# KiCad board EstacionTerrena.kicad_pcb

Outline 40 x 30 mm; copper layers: Top, Bottom. Coordinates in mm from the lower left corner of the outline.
Outline path: 0,30 40,30 40,0 0,0 0,30

## Placement (name value [footprint] x y rotation side)
C1  2.2uF  [C_0805_2012Metric]  21.55 27.52 270 top
C2  100nF  [C_0603_1608Metric]  26 24.6 180 top
C3  2.2uF  [C_0805_2012Metric]  29.93 27.52 270 top
C4  100nF  [C_0603_1608Metric]  17.21 20.3 180 top
C5  1uF  [C_0603_1608Metric]  11.01 20.3 180 top
C6  100nF  [C_0402_1005Metric]  12.94 9.64 180 top
C7  100nF  [C_0402_1005Metric]  12.94 7.86 180 top
C8  100nF  [C_0402_1005Metric]  17.05 15.49 90 top
C9  15pF  [C_0402_1005Metric]  14.87 2.75 90 top
C10  15pF  [C_0402_1005Metric]  21.02 2.68 270 top
C11  100nF  [C_0402_1005Metric]  22.19 5.78 270 top
C12  100nF  [C_0402_1005Metric]  19.21 5.52 0 top
C13  100nF  [C_0402_1005Metric]  22.24 14.26 90 top
C14  100nF  [C_0402_1005Metric]  20.51 14.26 90 top
C15  n.a  [C_0402_1005Metric]  29.22 8.72 270 top
C16  n.a  [C_0402_1005Metric]  30.16 13.75 90 top
C17  100pF  [C_0402_1005Metric]  26.49 10.56 180 top
D1  Verde  [LED_0603_1608Metric]  8.72 9.33 90 top
D2  Rojo  [LED_0603_1608Metric]  6.69 9.33 90 top
H1  MountingHole_Pad  [MountingHole_3.2mm_M3_Pad]  4 26 0 top
H2  MountingHole_Pad  [MountingHole_3.2mm_M3_Pad]  36 4 0 top
H3  MountingHole_Pad  [MountingHole_3.2mm_M3_Pad]  36 26 0 top
H4  MountingHole_Pad  [MountingHole_3.2mm_M3_Pad]  4 4 0 top
J1  -  [5-1814832-1]  35.14 15.07 90 top
J2  USB_B_Micro  [USB_Micro-B_Molex-105017-0001]  2.67 15 270 top
JP1  Jumper_NC_Dual  [SolderJumper-3_P1.3mm_Open_RoundedPad1.0x1.5mm_NumberLabels]  9.69 4.01 90 top
L1  12nH  [L_0402_1005Metric]  30.85 10.55 0 top
LOGO  -  [Logo_AXTEC]  24.39 5.31 0 top
LOGO#2  -  [Logo_AXTEC]  32.29 5.31 180 bottom
R1  220  [R_0603_1608Metric_Pad1.05x0.95mm_HandSolder]  10.6 11.82 180 top
R2  220  [R_0603_1608Metric_Pad1.05x0.95mm_HandSolder]  7 11.82 180 top
R3  10k  [R_0603_1608Metric_Pad1.05x0.95mm_HandSolder]  17.21 18.53 180 top
R4  56k  [R_0402_1005Metric]  18.73 15.49 270 top
R5  0R  [R_0402_1005Metric]  28.74 10.55 0 top
R6  0R  [R_0402_1005Metric]  29.81 11.92 0 top
REF**  -  [OSHW-Symbol_6.7x6mm_SilkScreen]  28.69 20.81 0 top
REF**#2  -  [OSHW-Symbol_6.7x6mm_SilkScreen]  28.39 8.21 180 bottom
TP1  TestPoint_SCK  [TestPoint_Pad_D1.0mm]  13.99 15.51 0 top
TP2  TestPoint_MOSI  [TestPoint_Pad_D1.0mm]  15.59 12.81 0 top
TP3  TestPoint_MISO  [TestPoint_Pad_D1.0mm]  11.99 15.51 0 top
TP4  TestPoint_CS  [TestPoint_Pad_D1.0mm]  7.79 6.71 0 top
TP5  TestPoint_3V3  [TestPoint_Pad_D1.0mm]  24.19 20.61 0 top
TP6  TestPoint_GND  [TestPoint_THTPad_1.0x1.0mm_Drill0.5mm]  15.19 7.71 0 top
U1  TPD2E2U06  [SOT-553]  7.61 15.66 0 top
U2  MIC5323-3.3YD5_TR  [SOT95P280X100-5N]  26 27.52 0 top
U3  MCP2210  [SSOP-20_5.3x7.2mm_P0.65mm]  14.16 25.23 180 top
U4  CC1101RGP  [QFN50P400X400X100-21N-D]  17.97 9.89 0 top
U5  -  [0915BM15A0001E]  23.71 9.64 0 top
Y1  12MHz  [Resonator_SMD_muRata_CSTxExxV-3Pin_3.0x1.1mm]  21.68 23.35 90 top
Y2  26 MHz  [Crystal_SMD_2520-4Pin_2.5x2.0mm]  18.17 2.68 0 top

## Footprints (pads in the part's own frame, mm; a bottom-side part is the same pattern mirrored in y, then rotated)
5-1814832-1
  round 2.3 hole 1.5: 1(0,0)
  round 2.5 hole 1.6: 2(-2.54,-2.54) 3(2.54,-2.54) 4(2.54,2.54) 5(-2.54,2.54)
0915BM15A0001E
  rect 0.35x1 smd: 1(0.65,0.9) 2(0,0.9) 3(-0.65,0.9) 4(-0.65,-0.9) 5(0,-0.9) 6(0.65,-0.9)
C_0402_1005Metric
  rrect 0.59x0.64 smd: 1(-0.485,0) 2(0.485,0)
C_0603_1608Metric
  rrect 0.875x0.95 smd: 1(-0.787,0) 2(0.787,0)
C_0805_2012Metric
  rrect 0.975x1.4 smd: 1(-0.938,0) 2(0.938,0)
Crystal_SMD_2520-4Pin_2.5x2.0mm
  rect 1.15x1 smd: 1(-0.875,-0.7) 2(0.875,-0.7) 3(0.875,0.7) 4(-0.875,0.7)
L_0402_1005Metric
  rrect 0.59x0.64 smd: 1(-0.485,0) 2(0.485,0)
LED_0603_1608Metric
  rrect 0.875x0.95 smd: 1(-0.787,0) 2(0.787,0)
MountingHole_3.2mm_M3_Pad
  round 6.4 hole 3.2: 1(0,0)
QFN50P400X400X100-21N-D
  rect 0.9x0.3 smd: 1(-1.95,1) 2(-1.95,0.5) 3(-1.95,0) 4(-1.95,-0.5) 5(-1.95,-1) 11(1.95,-1) 12(1.95,-0.5) 13(1.95,0) 14(1.95,0.5) 15(1.95,1)
  rect 0.3x0.9 smd: 6(-1,-1.95) 7(-0.5,-1.95) 8(0,-1.95) 9(0.5,-1.95) 10(1,-1.95) 16(1,1.95) 17(0.5,1.95) 18(0,1.95) 19(-0.5,1.95) 20(-1,1.95)
  rect 2.5x2.5 smd: 21(0,0)
R_0402_1005Metric
  rrect 0.59x0.64 smd: 1(-0.485,0) 2(0.485,0)
R_0603_1608Metric_Pad1.05x0.95mm_HandSolder
  rrect 1.05x0.95 smd: 1(-0.875,0) 2(0.875,0)
Resonator_SMD_muRata_CSTxExxV-3Pin_3.0x1.1mm
  rect 0.4x1.9 smd: 1(-1.2,0) 2(0,0) 3(1.2,0)
SolderJumper-3_P1.3mm_Open_RoundedPad1.0x1.5mm_NumberLabels
  custom 1.05x1.5 smd: 1(-1.3,0) 3(1.3,0)
  rect 1x1.5 smd: 2(0,0)
SOT95P280X100-5N
  rect 1.05x0.6 smd: 1(-1.3,0.95) 2(-1.3,0) 3(-1.3,-0.95) 4(1.3,-0.95) 5(1.3,0.95)
SOT-553
  rect 0.45x0.3 smd: 1(-0.7,0.5) 2(-0.7,0) 3(-0.7,-0.5) 4(0.7,-0.5) 5(0.7,0.5)
SSOP-20_5.3x7.2mm_P0.65mm
  rect 1.75x0.45 smd: 1(-3.6,2.925) 2(-3.6,2.275) 3(-3.6,1.625) 4(-3.6,0.975) 5(-3.6,0.325) 6(-3.6,-0.325) 7(-3.6,-0.975) 8(-3.6,-1.625) 9(-3.6,-2.275) 10(-3.6,-2.925) 11(3.6,-2.925) 12(3.6,-2.275) 13(3.6,-1.625) 14(3.6,-0.975) 15(3.6,-0.325) 16(3.6,0.325) 17(3.6,0.975) 18(3.6,1.625) 19(3.6,2.275) 20(3.6,2.925)
TestPoint_Pad_D1.0mm
  round 1 smd: 1(0,0)
TestPoint_THTPad_1.0x1.0mm_Drill0.5mm
  rect 1x1 hole 0.5: 1(0,0)
USB_Micro-B_Molex-105017-0001
  rect 0.4x1.35 smd: 1(-1.3,1.462) 2(-0.65,1.462) 3(0,1.462) 4(0.65,1.462) 5(1.3,1.462)
  oval 1.2x1.9 hole 0.6x1.3: 6(-3.5,-1.238) 6(3.5,-1.238)
  rect 1.2x1.9 smd: 6(-2.9,-1.238) 6(2.9,-1.238)
  round 1.45 hole 0.85: 6(-2.5,1.462) 6(2.5,1.462)
  rect 1.5x1.9 smd: 6(-1,-1.238) 6(1,-1.238)

## Nets
+3V3: C3.1 C4.1 C5.1 C6.1 C8.1 C11.1 C12.1 C13.1 C14.1 R1.1 R3.1 TP5.1 U2.5 U3.1 U3.17 U4.4 U4.9 U4.11 U4.14 U4.15 U4.18
+5V: C1.1 J2.1 U2.1 U2.3
GND: C1.2 C2.2 C3.2 C4.2 C5.2 C6.2 C7.2 C8.2 C9.2 C10.2 C11.2 C12.2 C13.2 C14.2 C15.2 C16.2 D1.1 D2.1 H1.1 H2.1 H3.1 H4.1 J1.2 J1.3 J1.4 J1.5 J2.5 J2.6 JP1.1 R4.1 TP6.1 U1.4 U2.2 U3.20 U4.16 U4.19 U4.21 U5.2 U5.5 U5.6 Y1.2 Y2.2 Y2.4
/CC1101/ANT: J1.1 L1.2
/CC1101/CS: JP1.2 U4.7
/CC1101/RF_N: U4.13 U5.3
/CC1101/RF_P: U4.12 U5.4
/USBaSPI/CS: JP1.3 TP4.1 U3.5
/USBaSPI/D+: J2.3 U1.3 U3.19
/USBaSPI/D-: J2.2 U1.2 U1.5 U3.18
/USBaSPI/GP1: R2.1 U3.6
/USBaSPI/MISO: TP3.1 U3.13 U4.2
/USBaSPI/MOSI: TP2.1 U3.9 U4.20
/USBaSPI/SCK: TP1.1 U3.11 U4.1
Net-(C2-Pad1): C2.1 U2.4
Net-(C7-Pad1): C7.1 U4.5
Net-(C9-Pad1): C9.1 U4.8 Y2.1
Net-(C10-Pad1): C10.1 U4.10 Y2.3
Net-(C15-Pad1): C15.1 R5.2 R6.1
Net-(C16-Pad1): C16.1 L1.1 R6.2
Net-(C17-Pad1): C17.1 R5.1
Net-(C17-Pad2): C17.2 U5.1
Net-(D1-Pad2): D1.2 R1.2
Net-(D2-Pad2): D2.2 R2.2
Net-(J2-Pad4): J2.4
Net-(R3-Pad2): R3.2 U3.4
Net-(R4-Pad2): R4.2 U4.17
Net-(U1-Pad1): U1.1
Net-(U3-Pad2): U3.2 Y1.1
Net-(U3-Pad3): U3.3 Y1.3
Net-(U3-Pad7): U3.7
Net-(U3-Pad8): U3.8
Net-(U3-Pad10): U3.10
Net-(U3-Pad12): U3.12
Net-(U3-Pad14): U3.14
Net-(U3-Pad15): U3.15
Net-(U3-Pad16): U3.16
Net-(U4-Pad3): U4.3
Net-(U4-Pad6): U4.6

## Via types
v1: diameter 0.6, hole 0.3, Top to Bottom, 40 vias

## Routing (per net, layer and track width the routed paths; a pad name or vN(x,y) marks a point on that pad's centre or on a via; arc(x,y) is an arc through that point)
+3V3: length 126.4
  Top w0.25: U4.14 20.45,10.39 22.24,12.18 C13.1
  Top w0.3: 18.47,5.68 18.48,5.67 ; U4.4 13.97,9.39 13.73,9.64 C6.1 ; U4.11 20.22,8.89 v1(21.25,7.86) 22.19,6.92 C11.1 ; U4.18 17.97,12.99 17.05,13.9 C8.1 ; U4.15 19.92,13.18 C14.1 ; U4.9 18.47,6.35 v1(18.43,6.31) 18.43,5.52 ; 24.22,20.66 24.17,20.71 24.17,24.57 23.25,25.49 20.26,25.49 19.54,26.2 19.54,28.58 19.24,28.89 9.23,28.89 8.93,28.58 8.93,24.71 9.38,24.26 U3.17
  Top w0.4: v1(15.28,13.85) 15.89,14.46 15.89,15.01 ; 12.74,11.57 13.73,10.58 13.73,9.64 ; 12.74,11.57 12.74,13.19 ; 12.74,11.57 11.57,11.57 10.89,10.88 10.89,7.51 12.09,6.31 v1(14.59,6.31) ; R3.1 18.08,17.72 17.72,17.36 16.5,17.36 15.89,16.75 15.89,15.01 ; R3.1 21.27,18.53 23.46,16.34 23.46,14.31 22.92,13.77 C14.1 ; R3.1 17.99,18.61 C4.1 17.76,20.54 U3.1 18.41,22.31 20.06,20.66 29.91,20.66 31.69,22.44 31.69,28.08 31.31,28.46 C3.1 ; U3.17 11.83,24.26 12.03,24.07 12.03,20.33 ; 15.89,15.01 C8.1 ; v1(17,5.96) 17.44,5.52 18.43,5.52
  Top w0.6: U2.5 29.92,28.47 C3.1
  Bottom w0.4: v1(15.28,13.85) 13.4,13.85 12.74,13.19 ; v1(18.43,6.31) 19.98,7.86 v1(21.25,7.86) ; v1(14.59,6.31) 14.94,5.96 v1(17,5.96)
  vias: v1(12.74,13.14)
+5V: length 36.5
  Top w0.3: U2.3 25.81,26.57 26,26.76 26,28.15 25.68,28.47 U2.1
  Top w0.4: J2.1 5.48,16.3 5.78,16.6 5.78,21.68 8.22,24.11 8.22,29.04 8.62,29.45 20.56,29.45 C1.1
  Top w0.6: U2.1 24.68,28.46 C1.1
GND: length 58
  Top w0.3: U5.6 U5.5 ; U5.5 v1(23.71,7.55) ; U5.5 v1(23.71,9.64) U5.2 v1(23.71,12.02) ; U4.19 17.47,11.12 v1(17.11,10.75) ; U4.16 18.97,10.89 v1(18.83,10.75) ; 20,5.52 v1(20,6.74) ; 18.67,16.04 18.73,16.1 ; H4.1 7.55,4 8.84,2.71 JP1.1 ; U1.4 9.3,15.16
  Top w0.4: 25.21,23.38 v1(25.21,23.4) C2.2 ; 17.05,16.04 18.67,16.04 ; 14.87,3.54 v1(14.87,4.81) ; v1(19.9,16.09) 19.89,16.1 18.73,16.1 ; v1(16.9,4.86) 17.3,4.47 Y2.4 ; Y2.2 19.05,0.71 v1(19.04,0.8) ; C16.2 29.22,14.24 v1(29.2,14.26) ; 12.15,8.77 12.15,7.86 ; 12.15,8.77 v1(11.59,8.77) ; 12.15,8.77 12.15,9.64 ; v1(21.37,15.68) 21.37,14.74 ; v1(23.1,5.32) 23.07,5.29 C11.2 ; J2.5 v1(5.88,13.7) ; C14.2 21.37,14.74 ; 21.37,14.74 C13.2 ; v1(30.16,8.21) 30.14,8.24 C15.2 ; v1(5.42,8.57) 5.45,8.54 D2.1 D1.1 ; 21.02,1.89 v1(21.02,0.8) ; U3.20 10.22,21.97 C5.2 10.22,19.11 v1(10.25,19.09) ; v1(15.94,21.83) 15.94,20.76 16.39,20.3 C4.2
  Top w0.45: v1(23.46,23.35) Y1.2
  Top w0.6: C1.2 v1(23.12,26.58) ; 24.62,27.52 v1(23.12,27.52) ; C3.2 v1(29.93,25.1) ; J2.6 v1(1.43,20.3)
  vias: v1(9.33,15.17) v1(17.11,9.03) v1(17.97,9.89) v1(18.83,9.03)
/CC1101/ANT: length 7.3
  Top w0.4: J1.1 35.14,12.28 33.41,10.55 L1.2
/CC1101/CS: length 9.9
  Top w0.3: U4.7 17.47,7.19 17.39,7.11 16.31,7.11 14.66,5.46 12.19,5.46 10.74,4.01 JP1.2
/CC1101/RF_N: length 3.4
  Top w0.25: U5.3 22.68,10.54 22.03,9.89 U4.13
/CC1101/RF_P: length 3.4
  Top w0.25: U5.4 22.68,8.74 22.03,9.39 U4.12
/USBaSPI/CS: length 26.3
  Top w0.3: 9.69,6.69 9.69,7.89 10.09,8.29 v1(10.09,10.11) ; JP1.3 9.69,6.71 TP4.1 ; U3.5 15.36,24.91 v1(15.16,24.71)
  Bottom w0.3: v1(10.09,10.11) 11.19,11.21 11.19,20.73 v1(15.16,24.71)
/USBaSPI/D+: length 17.6
  Top w0.2: U1.3 5.66,15.16 5.5,15 J2.3
  Top w0.3: 6.91,15.11 6.91,15.11 8.11,13.9 9.84,13.9 10.55,14.61 10.55,16.65 8.98,18.22 8.98,22.55 9.38,22.96 U3.19
/USBaSPI/D-: length 22
  Top w0.2: J2.2 4.14,15.66 U1.2 7.38,15.66 7.88,16.16 U1.5
  Top w0.3: U1.5 8.31,18.08 8.31,18.09 8.31,18.1 8.32,18.11 8.32,18.12 8.33,18.13 8.34,18.13 8.37,18.13 8.38,18.14 8.39,18.14 8.4,18.15 8.4,18.16 8.4,18.17 8.41,18.18 8.41,18.68 8.4,18.69 8.4,18.7 8.4,18.71 8.39,18.72 8.38,18.73 8.37,18.73 8.36,18.73 7.16,18.73 7.09,18.74 7.03,18.76 6.97,18.8 6.93,18.84 6.89,18.9 6.87,18.96 6.86,19.03 6.87,19.1 6.89,19.16 6.93,19.22 6.97,19.27 7.03,19.3 7.09,19.32 7.16,19.33 8.36,19.33 8.37,19.33 8.38,19.34 8.39,19.34 8.4,19.35 8.4,19.36 8.4,19.37 8.41,19.38 8.41,19.88 8.4,19.89 8.4,19.9 8.4,19.91 8.39,19.92 8.38,19.93 8.37,19.93 8.36,19.93 7.16,19.93 7.09,19.94 7.03,19.96 6.97,20 6.93,20.04 6.89,20.1 6.87,20.16 6.86,20.23 6.87,20.3 6.89,20.36 6.93,20.42 6.97,20.47 7.03,20.5 7.09,20.52 7.16,20.53 8.36,20.53 8.37,20.53 8.38,20.54 8.39,20.54 8.4,20.55 8.4,20.56 8.4,20.57 8.41,20.58 8.41,21.08 8.4,21.09 8.4,21.1 8.4,21.11 8.39,21.12 8.38,21.13 8.37,21.13 8.36,21.13 7.16,21.13 7.09,21.14 7.03,21.16 6.97,21.2 6.93,21.24 6.89,21.3 6.87,21.36 6.86,21.43 6.87,21.5 6.89,21.56 6.93,21.62 6.97,21.67 7.03,21.7 7.09,21.72 7.16,21.73 8.01,21.73 8.07,21.74 8.14,21.76 8.19,21.8 8.24,21.84 8.28,21.9 8.3,21.96 8.31,22.03 8.31,23.14 8.78,23.61 U3.18
/USBaSPI/GP1: length 21.7
  Top w0.3: U3.6 15.24,25.56 v1(15.19,25.61) ; R2.1 7.87,12.69 8.29,13.11 9.75,13.11 11.15,14.51 11.14,14.52 11.14,16.66 12.65,18.17 v1(12.65,25.57)
  Bottom w0.3: v1(15.19,25.61) 12.69,25.61 v1(12.65,25.57)
/USBaSPI/MISO: length 22.7
  Top w0.3: 13.4,14.4 13.4,13.51 ; 12.89,15.51 12.89,14.81 13.4,14.3 13.4,13.51 ; 12.89,15.51 12.89,16.3 13.4,16.81 13.4,25.74 12.28,26.86 U3.13 ; 12.89,15.51 TP3.1 ; 13.4,13.51 13.4,11.72 14.73,10.39 U4.2
/USBaSPI/MOSI: length 21.7
  Top w0.2: TP2.1 15.59,11.84
  Top w0.3: U4.20 15,11.84 14.51,12.33 14.51,14.44 15.09,15.01 15.09,16.24 14.51,16.81 14.51,26.1 15.93,27.51 U3.9
/USBaSPI/SCK: length 21.1
  Top w0.3: U3.11 12.15,28.16 13.96,26.35 13.96,11.87 14.94,10.89 U4.1
Net-(C2-Pad1): length 2.2
  Top w0.6: U2.4 27.3,25.11 C2.1
Net-(C7-Pad1): length 3
  Top w0.3: U4.5 14.76,8.89 13.73,7.86 C7.1
Net-(C9-Pad1): length 9.7
  Top w0.3: 16.09,2.27 16.14,2.32 16.14,6.23 16.51,6.61 17.69,6.61 17.97,6.89 U4.8 ; 16.09,2.27 17.01,2.27 Y2.1 ; 16.09,2.27 C9.1
Net-(C10-Pad1): length 9.4
  Top w0.3: U4.10 19.92,7.94 21.07,6.79 21.07,4.76 20.76,4.45 20.2,4.45 19.12,3.38 Y2.3 20.12,3.38 20.33,3.16 C10.1
  Top w0.4: 19.13,3.46 Y2.3
Net-(C15-Pad1): length 2.7
  Top w0.4: 29.22,11.92 29.22,11.92 R5.2 C15.1
Net-(C16-Pad1): length 2.8
  Top w0.4: C16.1 30.19,13.24 30.19,11.92 ; L1.1 30.36,11.85 R6.2
Net-(C17-Pad1): length 1.3
  Top w0.2: 28.24,10.56 R5.1
  Top w0.4: 28.22,10.54 28.23,10.55 ; 28.24,10.54 R5.1 ; C17.1 28.24,10.56
Net-(C17-Pad2): length 1.6
  Top w0.4: C17.2 24.38,10.56
Net-(D1-Pad2): length 2.1
  Top w0.4: R1.2 9.73,11.12 D1.2
Net-(D2-Pad2): length 1.9
  Top w0.4: R2.2 6.12,10.69 D2.2
Net-(R3-Pad2): length 8.9
  Top w0.4: R3.2 15.71,18.53 15.07,19.16 15.07,23.56 15.78,24.26 U3.4
Net-(R4-Pad2): length 3.3
  Top w0.3: 18.72,14.34 18.73,14.35 ; 18.73,14.35 18.47,14.09 U4.17 ; 18.73,14.35 R4.2
Net-(U3-Pad2): length 4.3
  Top w0.45: U3.2 19.08,22.96 19.89,22.15 Y1.1
Net-(U3-Pad3): length 4.3
  Top w0.45: Y1.3 20.03,24.55 19.08,23.61 U3.3

## Copper pours and planes (outline as drawn; the poured copper is in the pictures)
GND on Top: -0.01,30.01 39.99,30.01 39.99,0.01 -0.01,0.01
GND on Bottom: -0.01,0.01 39.99,0.01 39.99,30.01 -0.01,30.01

## Text on the board
B.SilkS: CanSat Platform | Estación Terrena v1.0
F.SilkS: CanSat Platform | Estación Terrena v1.0
